# KiCad board reform2-motherboard.kicad_pcb (continued)
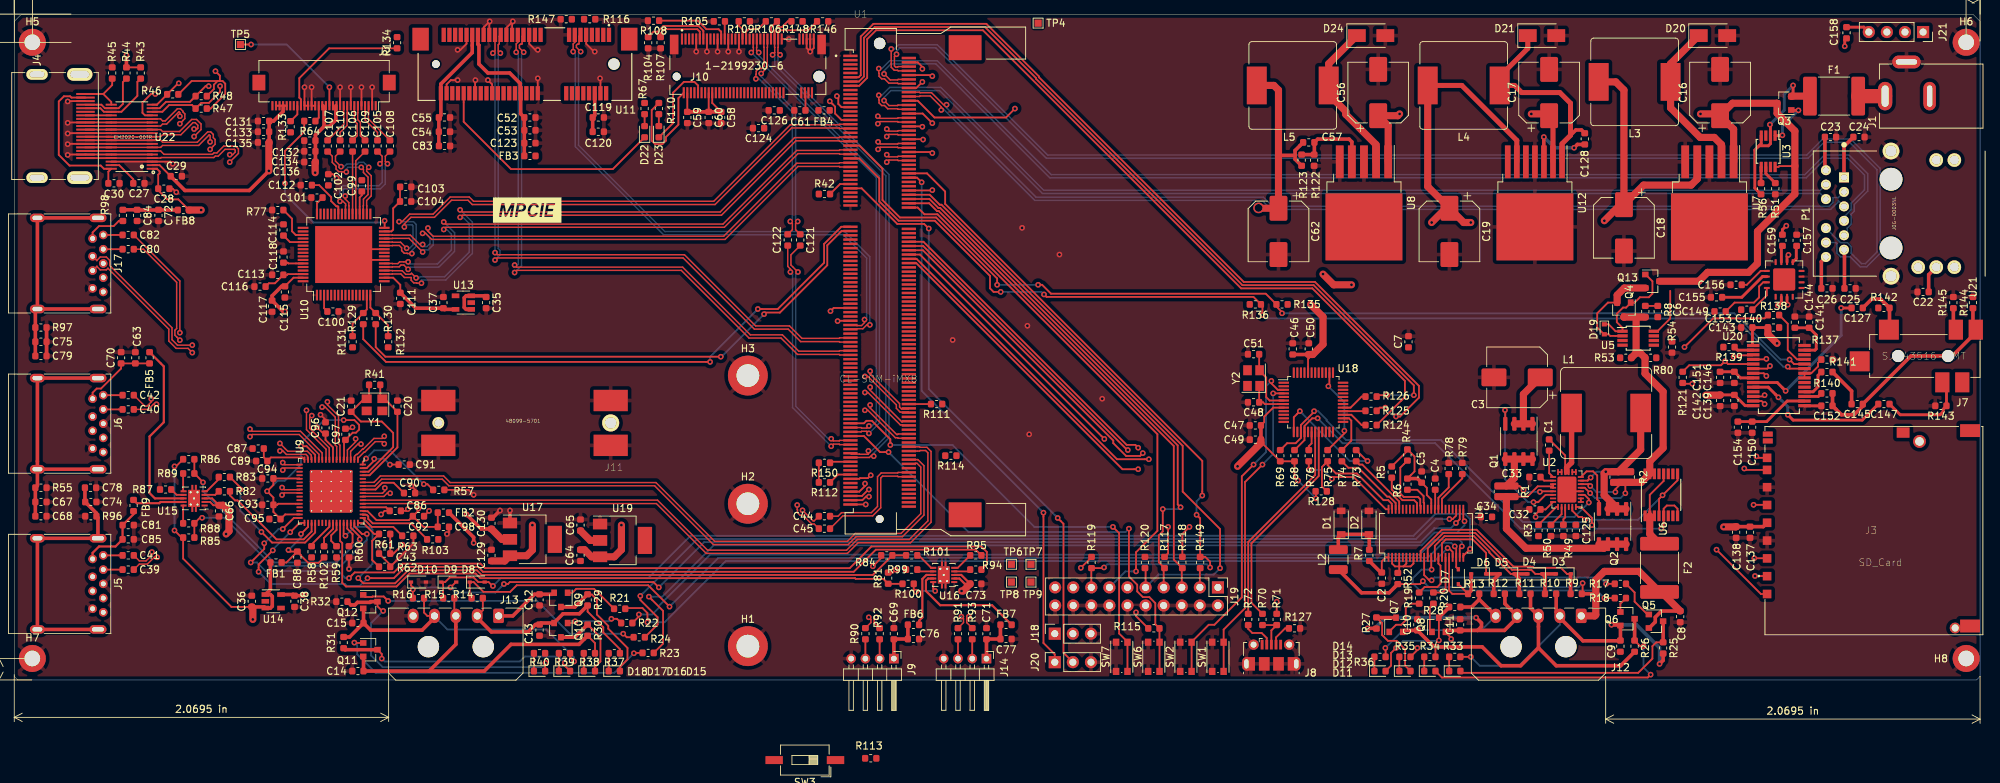
[diagram p0: board, top side]
## Nets (continued)
USB_PWR: C18.1 C28.2 C43.1 C66.1 C73.1 C155.1 C157.1 FB8.1 L3.2 R43.1 R44.1 R61.2 R111.1 R114.1 U7.4 U15.2 U15.3 U16.2 U16.3 U21.4 U21.9 U21.14 U22.1
USB_RESETn: R103.2
Net-(C1-Pad1): C1.1 U2.1
Net-(C1-Pad2): C1.2 L1.1 U2.25 U2.26
Net-(C2-Pad1): C2.1 R7.2 U4.1
Net-(C4-Pad1): C4.1 U4.31
Net-(C6-Pad1): C6.1 R8.2
Net-(C20-Pad1): C20.1 R41.1 U9.61 Y1.1
Net-(C21-Pad1): C21.1 R41.2 U9.62 Y1.2
Net-(C23-Pad1): C23.1 P1.7
Net-(C24-Pad1): C24.1 P1.1
Net-(C25-Pad1): C25.1 P1.6
Net-(C26-Pad1): C26.1 P1.12
Net-(C27-Pad2): C27.2 U22.37
Net-(C30-Pad1): C30.1 J4.18 U22.38
Net-(C32-Pad1): C32.1 U2.8 U2.17
Net-(C33-Pad1): C33.1 U2.2
Net-(C34-Pad1): C34.1 Q2.5 Q2.6 Q2.7 Q2.8 R1.2 U2.3 U2.4 U2.27 U2.28
Net-(C39-Pad2): C39.2 J5.8
Net-(C40-Pad2): C40.2 J6.8
Net-(C41-Pad2): C41.2 J5.9
Net-(C42-Pad2): C42.2 J6.9
Net-(C48-Pad1): C48.1 U18.7 Y2.1
Net-(C51-Pad1): C51.1 U18.6 Y2.2
Net-(C57-Pad2): C57.2 R122.1 R123.2 U8.4
Net-(C63-Pad1): C63.1 C70.1 FB5.2 J6.1
Net-(C67-Pad1): C67.1 C68.1 J6.10 R55.1
Net-(C69-Pad1): C69.1 C76.1 FB6.2 J9.1
Net-(C71-Pad1): C71.1 C77.1 FB7.2 J14.1
Net-(C72-Pad1): C72.1 C84.1 FB8.2 R98.1
Net-(C74-Pad1): C74.1 C78.1 J5.10 R96.1
Net-(C75-Pad1): C75.1 C79.1 J17.10 R97.1
Net-(C80-Pad2): C80.2 J17.8
Net-(C81-Pad1): C81.1 C85.1 FB9.2 J5.1
Net-(C82-Pad2): C82.2 J17.9
Net-(C86-Pad1): C86.1 C87.1 C88.1 C89.1 C91.1 FB1.2 R102.1 U9.16 U9.34 U9.52 U9.63
Net-(C90-Pad1): C90.1 C92.1 C93.1 C94.1 C95.1 C96.1 C97.1 C98.1 FB2.2 U9.5 U9.8 U9.13 U9.21 U9.28 U9.31 U9.51 U9.57
Net-(C123-Pad1): C52.1 C53.1 C54.1 C55.1 C83.1 C123.1 FB3.2 U11.2 U11.24 U11.39 U11.41 U11.52
Net-(C124-Pad1): C58.1 C59.1 C60.1 C61.1 C124.1 C126.1 FB4.2 J10.2 J10.4 J10.12 J10.14 J10.16 J10.18 J10.70 J10.72 J10.74 R110.1
Net-(C127-Pad1): C127.1 J7.2 R142.1
Net-(C127-Pad2): C127.2 U20.9
Net-(C128-Pad1): C128.1 D21.1 L4.1 U12.1
Net-(C128-Pad2): C128.2 U12.3
Net-(C141-Pad2): C141.2 C144.2 U20.27
Net-(C145-Pad1): C145.1 C152.1 J7.1 R140.2 R144.1
Net-(C145-Pad2): C145.2 R141.2
Net-(C147-Pad1): C147.1 J7.3 R143.1
Net-(C147-Pad2): C147.2 U20.10
Net-(C149-Pad1): C149.1 U21.15
Net-(C149-Pad2): C149.2 U20.13
Net-(C150-Pad1): C150.1 C154.1 U20.16
Net-(C153-Pad1): C153.1 U21.16
Net-(C153-Pad2): C153.2 U20.12
Net-(C156-Pad1): C156.1 U21.13
Net-(C158-Pad1): C158.1 J21.4
Net-(C158-Pad2): C158.2 U21.2
Net-(C159-Pad1): C159.1 J21.2
Net-(C159-Pad2): C159.2 U21.11
Net-(D1-Pad1): D1.1 D2.1 L2.2 R7.1
Net-(D3-Pad1): D3.1 R9.2 U4.10
Net-(D3-Pad2): D3.2 D4.1 R10.2 U4.12
Net-(D4-Pad2): D4.2 D5.1 R11.2 U4.14
Net-(D5-Pad2): D5.2 D6.1 R12.2 U4.16
Net-(D6-Pad2): D6.2 D7.1 R13.2 U4.18
Net-(D7-Pad2): D7.2 D8.1 R14.2 U4.20
Net-(D8-Pad2): D8.2 D9.1 R15.2 U4.22
Net-(D10-Pad1): D9.2 D10.1 R16.2 U4.24
Net-(D11-Pad1): D11.1 R33.2
Net-(D11-Pad2): D11.2 Q5.3 R25.2
Net-(D12-Pad1): D12.1 R34.2
Net-(D12-Pad2): D12.2 Q6.3 R26.2
Net-(D13-Pad1): D13.1 R35.2
Net-(D13-Pad2): D13.2 Q7.3 R27.2
Net-(D14-Pad1): D14.1 R36.2
Net-(D14-Pad2): D14.2 Q8.3 R28.2
Net-(D15-Pad1): D15.1 R37.2
Net-(D15-Pad2): D15.2 Q9.3 R29.2
Net-(D16-Pad1): D16.1 R38.2
Net-(D16-Pad2): D16.2 Q10.3 R30.2
Net-(D17-Pad1): D17.1 R39.2
Net-(D17-Pad2): D17.2 Q11.3 R31.2
Net-(D18-Pad1): D18.1 R40.2
Net-(D18-Pad2): D18.2 Q12.3 R32.2
Net-(D19-Pad1): D19.1 Q4.1 Q13.1 U5.1
Net-(D19-Pad2): D19.2 Q4.2 Q13.2 R53.1 U5.2
Net-(D20-Pad1): D20.1 L3.1 U7.2
Net-(D22-Pad1): D22.1 U11.44
Net-(D22-Pad2): D22.2 R67.2
Net-(D23-Pad1): D23.1 J10.10
Net-(D23-Pad2): D23.2 R110.2
Net-(D24-Pad1): D24.1 L5.1 U8.2
Net-(F2-Pad2): F2.2 U6.1 U6.2 U6.3 U6.12
Net-(J2-Pad1): J2.1
Net-(J2-Pad24): J2.24
Net-(J2-Pad25): J2.25
Net-(J2-Pad30): J2.30
Net-(J4-Pad13): J4.13 U22.23
Net-(J4-Pad14): J4.14
Net-(J4-Pad15): J4.15 R43.2 U22.22
Net-(J4-Pad16): J4.16 R44.2 U22.21
Net-(J4-Pad19): J4.19 R45.1 U22.20
Net-(J7-Pad4): J7.4 R145.1
Net-(J7-Pad5): J7.5
Net-(J7-Pad6): J7.6
Net-(J8-Pad1): J8.1
Net-(J8-Pad2): J8.2 R72.1
Net-(J8-Pad3): J8.3 R70.1 R71.2
Net-(J8-Pad4): J8.4 R127.2
Net-(J9-Pad2): J9.2 R92.2
Net-(J9-Pad3): J9.3 R90.2
Net-(J10-Pad5): J10.5
Net-(J10-Pad6): J10.6
Net-(J10-Pad7): J10.7
Net-(J10-Pad8): J10.8
Net-(J10-Pad11): J10.11 R107.1
Net-(J10-Pad13): J10.13 R104.1
Net-(J10-Pad17): J10.17
Net-(J10-Pad19): J10.19
Net-(J10-Pad20): J10.20
Net-(J10-Pad22): J10.22
Net-(J10-Pad23): J10.23 R108.1
Net-(J10-Pad24): J10.24
Net-(J10-Pad25): J10.25 R105.1
Net-(J10-Pad26): J10.26
Net-(J10-Pad28): J10.28
Net-(J10-Pad29): J10.29
Net-(J10-Pad30): J10.30
Net-(J10-Pad31): J10.31
Net-(J10-Pad32): J10.32
Net-(J10-Pad34): J10.34
Net-(J10-Pad35): J10.35 R109.1
Net-(J10-Pad36): J10.36
Net-(J10-Pad37): J10.37 R106.1
Net-(J10-Pad38): J10.38
Net-(J10-Pad46): J10.46
Net-(J10-Pad48): J10.48
Net-(J10-Pad54): J10.54
Net-(J10-Pad56): J10.56
Net-(J10-Pad58): J10.58
Net-(J10-Pad67): J10.67
Net-(J10-Pad68): J10.68
Net-(J10-Pad69): J10.69
Net-(J14-Pad2): J14.2 R93.2
Net-(J14-Pad3): J14.3 R91.2
Net-(J17-Pad1): J17.1 R98.2
Net-(J19-Pad3): J19.3 R149.1
Net-(J19-Pad11): J19.11
Net-(J19-Pad17): J19.17
Net-(J19-Pad19): J19.19
Net-(J21-Pad1): J21.1 U21.10
Net-(J21-Pad3): J21.3 U21.3
Net-(L1-Pad2): L1.2 Q2.1 Q2.2 Q2.3 R2.2 U2.21
Net-(Q1-Pad4): Q1.4 U2.6
Net-(Q1-Pad5): Q1.5 Q1.6 Q1.7 Q1.8 R1.1 U2.5
Net-(Q2-Pad4): Q2.4 U2.22
Net-(Q3-Pad1): Q3.1 U3.1
Net-(Q5-Pad1): Q5.1 R17.1
Net-(Q6-Pad1): Q6.1 R18.1
Net-(Q7-Pad1): Q7.1 R19.1
Net-(Q8-Pad1): Q8.1 R20.1
Net-(Q9-Pad1): Q9.1 R21.1
Net-(Q10-Pad1): Q10.1 R22.1
Net-(Q11-Pad1): Q11.1 R23.1
Net-(Q12-Pad1): Q12.1 R24.1
Net-(R3-Pad1): R3.1 R50.1 U2.10
Net-(R3-Pad2): R3.2 U2.9
Net-(R4-Pad2): R4.2 U4.35
Net-(R5-Pad2): R5.2 U4.36
Net-(R6-Pad2): R6.2 U4.34
Net-(R17-Pad2): R17.2 U4.11
Net-(R18-Pad2): R18.2 U4.13
Net-(R19-Pad2): R19.2 U4.15
Net-(R20-Pad2): R20.2 U4.17
Net-(R21-Pad2): R21.2 U4.19
Net-(R22-Pad2): R22.2 U4.21
Net-(R23-Pad2): R23.2 U4.23
Net-(R24-Pad2): R24.2 U4.25
Net-(R49-Pad1): R49.1 U2.11
Net-(R51-Pad2): R51.2 U3.6
Net-(R52-Pad1): R52.1 U4.2 U4.4 U4.6 U4.8
Net-(R54-Pad2): R54.2 U5.6
Net-(R56-Pad1): R56.1 U3.5
Net-(R57-Pad1): R57.1 U9.64
Net-(R58-Pad1): R58.1 U9.40
Net-(R59-Pad1): R59.1 U9.42
Net-(R60-Pad1): R60.1 U9.45
Net-(R61-Pad1): R61.1 R62.1 U9.48
Net-(R63-Pad1): R63.1 U9.49
Net-(R64-Pad2): R64.2 U10.32
Net-(R70-Pad2): R70.2 U18.20
Net-(R72-Pad2): R72.2 U18.19
Net-(R77-Pad2): R77.2 U10.51
Net-(R78-Pad1): R78.1 U4.30
Net-(R79-Pad1): R79.1 U4.29
Net-(R80-Pad1): R80.1 U5.5
Net-(R82-Pad1): R82.1 U15.4
Net-(R83-Pad2): R83.2 U15.5
Net-(R87-Pad1): R87.1 U15.7
Net-(R88-Pad1): R88.1 U15.10
Net-(R89-Pad1): R89.1 U15.6
Net-(R94-Pad1): R94.1 U16.4
Net-(R95-Pad2): R95.2 U16.5
Net-(R99-Pad1): R99.1 U16.7
Net-(R100-Pad1): R100.1 U16.10
Net-(R101-Pad1): R101.1 U16.6
Net-(R102-Pad2): R102.2 U9.41
Net-(R103-Pad1): R103.1 U9.50
Net-(R111-Pad2): R111.2 U1.156
Net-(R112-Pad1): R112.1 U1.189
Net-(R113-Pad1): R113.1 SW3.1
Net-(R114-Pad2): R114.2 U1.180
Net-(R129-Pad1): R129.1 R131.1 U10.15
Net-(R130-Pad1): R130.1 R132.1 U10.16
Net-(R137-Pad2): R137.2 U20.21 U20.22
Net-(R138-Pad1): R138.1 U20.25
Net-(R139-Pad1): R139.1 U20.2
Net-(R139-Pad2): R139.2
Net-(R140-Pad1): R140.1 U20.17
Net-(R141-Pad1): R141.1 U20.18
Net-(R150-Pad1): R150.1 U1.183
Net-(SW3-Pad2): SW3.2 U1.185
Net-(TP4-Pad1): TP4.1 U1.54
Net-(TP6-Pad1): TP6.1 U1.174
Net-(TP7-Pad1): TP7.1 U1.196
Net-(TP8-Pad1): TP8.1 U1.202
Net-(TP9-Pad1): TP9.1 U1.154
Net-(U1-Pad2): U1.2
Net-(U1-Pad7): U1.7
Net-(U1-Pad9): U1.9
Net-(U1-Pad17): U1.17
Net-(U1-Pad21): U1.21
Net-(U1-Pad23): U1.23
Net-(U1-Pad27): U1.27
Net-(U1-Pad29): U1.29
Net-(U1-Pad52): U1.52
Net-(U1-Pad60): U1.60
Net-(U1-Pad62): U1.62
Net-(U1-Pad65): U1.65
Net-(U1-Pad69): U1.69
Net-(U1-Pad74): U1.74
Net-(U1-Pad76): U1.76
Net-(U1-Pad77): U1.77
Net-(U1-Pad79): U1.79
Net-(U1-Pad81): U1.81
Net-(U1-Pad83): U1.83
Net-(U1-Pad85): U1.85
Net-(U1-Pad89): U1.89
Net-(U1-Pad91): U1.91
Net-(U1-Pad92): U1.92
Net-(U1-Pad93): U1.93
Net-(U1-Pad94): U1.94
Net-(U1-Pad95): U1.95
Net-(U1-Pad97): U1.97
Net-(U1-Pad98): U1.98
Net-(U1-Pad99): U1.99
Net-(U1-Pad100): U1.100
Net-(U1-Pad101): U1.101
Net-(U1-Pad102): U1.102
Net-(U1-Pad103): U1.103
Net-(U1-Pad104): U1.104
Net-(U1-Pad106): U1.106
Net-(U1-Pad107): U1.107
Net-(U1-Pad108): U1.108
Net-(U1-Pad109): U1.109
Net-(U1-Pad110): U1.110
Net-(U1-Pad112): U1.112
Net-(U1-Pad113): U1.113
Net-(U1-Pad115): U1.115
Net-(U1-Pad116): U1.116
Net-(U1-Pad118): U1.118
Net-(U1-Pad120): U1.120
Net-(U1-Pad122): U1.122
Net-(U1-Pad124): U1.124
Net-(U1-Pad126): U1.126
Net-(U1-Pad128): U1.128
Net-(U1-Pad129): U1.129
Net-(U1-Pad130): U1.130
Net-(U1-Pad134): U1.134
Net-(U1-Pad135): U1.135
Net-(U1-Pad136): U1.136
Net-(U1-Pad137): U1.137
Net-(U1-Pad138): U1.138
Net-(U1-Pad139): U1.139
Net-(U1-Pad140): U1.140
Net-(U1-Pad142): U1.142
Net-(U1-Pad143): U1.143
Net-(U1-Pad144): U1.144
Net-(U1-Pad145): U1.145
Net-(U1-Pad146): U1.146
Net-(U1-Pad147): U1.147
Net-(U1-Pad148): U1.148
Net-(U1-Pad149): U1.149
Net-(U1-Pad151): U1.151
Net-(U1-Pad152): U1.152
Net-(U1-Pad153): U1.153
Net-(U1-Pad155): U1.155
Net-(U1-Pad157): U1.157
Net-(U1-Pad161): U1.161
Net-(U1-Pad162): U1.162
Net-(U1-Pad163): U1.163
Net-(U1-Pad187): U1.187
Net-(U1-Pad192): U1.192
Net-(U1-Pad193): U1.193
Net-(U1-Pad194): U1.194
Net-(U1-Pad195): U1.195
Net-(U3-Pad3): U3.3
Net-(U3-Pad7): U3.7
Net-(U4-Pad3): U4.3
Net-(U4-Pad5): U4.5
Net-(U4-Pad7): U4.7
Net-(U4-Pad9): U4.9
Net-(U4-Pad28): U4.28
Net-(U5-Pad3): U5.3
Net-(U5-Pad7): U5.7
Net-(U6-Pad7): U6.7
Net-(U6-Pad13): U6.13
Net-(U9-Pad37): U9.37
Net-(U9-Pad38): U9.38
Net-(U9-Pad39): U9.39
Net-(U9-Pad60): U9.60
Net-(U10-Pad4): U10.4
Net-(U10-Pad5): U10.5
Net-(U10-Pad6): U10.6
Net-(U10-Pad7): U10.7
Net-(U10-Pad8): U10.8
Net-(U10-Pad9): U10.9
Net-(U10-Pad10): U10.10
Net-(U10-Pad11): U10.11
Net-(U10-Pad12): U10.12
Net-(U10-Pad13): U10.13
Net-(U10-Pad44): U10.44
Net-(U10-Pad45): U10.45
Net-(U10-Pad46): U10.46
Net-(U10-Pad47): U10.47
Net-(U10-Pad50): U10.50
Net-(U10-Pad54): U10.54
Net-(U10-Pad55): U10.55
Net-(U10-Pad56): U10.56
Net-(U10-Pad57): U10.57
Net-(U10-Pad58): U10.58
Net-(U10-Pad60): U10.60
Net-(U11-Pad1): U11.1
Net-(U11-Pad3): U11.3
Net-(U11-Pad5): U11.5
Net-(U11-Pad8): U11.8
Net-(U11-Pad10): U11.10
Net-(U11-Pad12): U11.12
Net-(U11-Pad14): U11.14
Net-(U11-Pad16): U11.16
Net-(U11-Pad17): U11.17
Net-(U11-Pad19): U11.19
Net-(U11-Pad30): U11.30
Net-(U11-Pad32): U11.32
Net-(U11-Pad36): U11.36
Net-(U11-Pad38): U11.38
Net-(U11-Pad42): U11.42
Net-(U11-Pad45): U11.45
Net-(U11-Pad46): U11.46
Net-(U11-Pad47): U11.47
Net-(U11-Pad49): U11.49
Net-(U11-Pad51): U11.51
Net-(U12-Pad5): U12.5
Net-(U12-Pad7): U12.7
Net-(U13-Pad4): U13.4
Net-(U14-Pad4): U14.4
Net-(U18-Pad1): U18.1
Net-(U18-Pad9): U18.9
Net-(U18-Pad25): U18.25
Net-(U18-Pad48): U18.48
Net-(U20-Pad19): U20.19
Net-(U20-Pad20): U20.20
Net-(U20-Pad26): U20.26
Net-(U21-Pad5): U21.5
Net-(U21-Pad6): U21.6
Net-(U21-Pad8): U21.8

Pads without a net: J1 3; J2 MP; J3 D_SW P1 P2 P_SW PEG1 PEG2 SW; J4 SHEL; J11 5 6; U1 SH1 SH2; U7 6; U8 6; U10 14; U11 53 54; U17 4; U19 4; Y1 3 4; Y2 3 4

## Via types
v1: diameter 0.8, hole 0.4, Top to Bottom, 398 vias
v2: diameter 1.5, hole 1.1, Top to Bottom, 1 via

## Routing (per net, layer and track width the routed paths; a pad name or vN(x,y) marks a point on that pad's centre or on a via; arc(x,y) is an arc through that point)
+1V1: length 35.9
  Top w0.5: v1(40.75,12) 40.59,11.84 C38.1 39.19,12 U14.5 ; v1(64.5,19.25) 64.5,20.04 FB2.1
  Power.Cu w0.5: v1(64.5,19.25) 62.75,17.5 54.25,17.5 48.75,12 v1(40.75,12)
+1V2: length 37.4
  Top w0.25: U10.48 42.5,66.96 C101.1 ; C118.1 38.38,58.61 38.49,58.5 U10.59 ; C116.1 35.75,55.71 36.6,55.71 C113.1 38.33,56.9 38.42,57 U10.62 ; C100.1 43.5,52.21 U10.3 ; U10.18 53.2,56.5 54.2,55.5 C111.1 ; C99.1 48.8,68.08 48.5,67.78 U10.36 ; 54.16,69.2 C104.1 53.2,66.24 53.2,63.25 52.95,63 U10.31
  Top w0.5: U13.5 60.41,52.05 C37.1 56.38,52.21 C111.1
+1V5: length 8.8
  Top w0.5: U11.6 81.5,79.29 C119.1 C120.1
  Top w1: C65.1 80.86,19.6 U19.2
+1V8: length 73.5
  Top w0.25: C112.1 42.82,69.5 44.5,67.82 44.5,67.25 45.22,66.53 45.42,66.53 45.5,66.45 U10.42 ; C114.1 38.71,61.5 U10.53 ; U10.63 39.21,56.5 C115.1
  Top w0.5: v1(38,51.75) 37.74,51.75 C117.1 36.2,53.95 37.54,55.29 C115.1 ; v1(63.5,23.25) 65.54,21.21 C130.1
  Top w1: U17.2 68.46,19.75 C130.1
  Power.Cu w0.5: v1(38,51.75) 53.25,51.75 63.5,41.5 v1(63.5,23.25)
+3V3: length 824.8
  Top w0.25: v1(22.5,21) 23.5,20 R85.2 23.71,17.04 30.49,10.26 C36.1 ; v1(123.75,15.5) 123.34,15.09 R81.2 ; C29.1 20.41,72.3 U22.2 ; v1(182.75,25.5) 182.75,26.46 R128.2 ; R86.2 22.71,30 v1(22.5,30) ; 28.88,84.13 28.88,84.87 v1(28.25,85.5) ; 28.88,84.13 28.55,84.13 ; 28.88,84.13 29.25,84.13 29.63,83.75 29.63,82.3 27.58,80.25 R47.2 ; v1(149.75,15.75) 151.25,17.25 R119.1 ; v1(180.25,28) 179.75,28.5 R68.1 R69.1 175.04,33.42 C49.1 ; v1(157.5,9.5) 157.5,8.96 R115.1 ; R118.1 164,20.5 v1(165,21.5) ; U18.8 176.75,38.25 175.5,37 175.5,36.21 C47.1 ; 28.55,84.13 24.91,84.13 R46.2 ; 28.55,84.13 28.03,83.6 28.03,82.99 R48.2 ; R117.1 162,17.79 v1(162,21.5) ; v1(120.55,15.97) 121.71,17.13 R84.2 ; R112.2 R150.2 ; C50.1 181.75,45.17 181.65,45.08 U18.44 ; v1(177.25,11) R71.1
  Top w0.3: J2.29 J2.26
  Top w0.4: U20.14 243.01,38.53 C139.1 C142.1 ; C146.1 241.61,43.17 ; C146.1 C151.1 ; C146.1 242.36,42.42 U20.8 ; U20.1 244.04,47.09 C143.1 C140.1
  Top w0.5: C35.1 66.09,53.95 U13.3 63.44,53.95 63.18,53.69 63.18,52.31 63.44,52.05 U13.1 ; C138.1 C137.1 245.56,21.54 J3.4 ; v1(35.75,71.5) 33,68.75 23.96,68.75 C29.1 ; C22.1 268.79,56.92 P1.16 ; C49.1 C47.1 ; C135.1 C133.1 C131.1 36.4,78.5 37.75,79.85 J2.27 ; 43.5,77.75 43.5,80.4 43.35,80.55 43.35,80.65 ; 43.5,77.75 42.29,76.54 C132.1 C134.1 C136.1 ; 43.5,77.75 44.25,77.75 45.15,78.65 45.15,80.65 ; FB1.1 35.96,12.71 U14.1 35.97,12 36.23,11.74 36.23,10.36 35.97,10.1 U14.3 35.09,10.26 C36.1 ; C50.1 C46.1
  Top w0.7: U12.6 210.96,75.78 203.24,83.5 L4.2
  Top w1: C140.1 246.21,48.56 v1(247.5,47.28) ; C138.1 241.71,21.5 v1(240,21.5) ; C142.1 239.46,40 v1(237.5,40) ; C19.1 201,66.25 v1(199,64.25) ; C19.1 198.45,69.3 L4.2 ; C19.1 203.5,64.25 v1(204.5,64.25) ; v1(85.25,21.75) 85.25,18.3 84.25,17.3 U19.3 81.06,17.3 80.08,18.29 C64.1 ; C129.1 68.86,16.71 U17.3 71.95,17.45 72.75,18.25 v1(72.75,21.75) ; C49.1 175.04,33.29 v1(171.75,30) ; C36.1 33.5,10.11 v1(33.5,8.5) ; v1(42.25,71.25) 42.25,72.71 C136.1 ; C135.1 35.75,75.46 v1(35.75,71.5) ; C50.1 182.32,45.71 183.75,47.14 183.75,51 v1(182,52.75)
  Power.Cu w0.25: v1(177.25,11) 174.35,13.9 171.75,13.9 ; v1(120.55,15.97) 123.28,15.97 v1(123.75,15.5) ; v1(157.5,9.5) 157.9,9.1 167.35,9.1 167.75,9.5 167.75,12.85 167.9,13 J19.1 ; 171.75,21.5 v1(165,21.5) v1(162,21.5) 159.75,19.25 151.5,19.25 149.75,17.5 v1(149.75,15.75)
  Power.Cu w1: v1(171.75,30) 171.75,13.9 170.85,13 J19.1 ; v1(171.75,30) 170.25,28.5 155.75,28.5 138.55,11.3 135.8,11.3 135.25,10.75 96.25,10.75 v1(85.25,21.75) v1(72.75,21.75) 67,16 54.5,16 47,8.5 v1(33.5,8.5) 28,14 28,61 25.5,63.5 17,63.5 12.25,68.25 12.25,87.5 14.5,89.75 24,89.75 v1(28.25,85.5) 29.75,85.5 32,83.25 32,74 34.5,71.5 v1(35.75,71.5) 36,71.25 v1(42.25,71.25) ; v1(171.75,30) 172.5,30.75 172.5,43.25 v1(182,52.75) 193.5,64.25 v1(199,64.25) ; v1(204.5,64.25) 206.25,64.25 214.99,72.99 248.49,72.99 250.25,74.75 258,74.75 262.75,70 268.75,70 ; 268.75,70 269.75,69 269.75,58.08 P1.16 259.14,47.28 v1(247.5,47.28) 239.52,47.28 237.5,45.25 v1(237.5,40) 237.5,24 v1(240,21.5) ; 268.75,70 269.37,70 P1.14
  Bottom w0.25: v1(22.5,21) v1(22.5,30) ; v1(180.25,28) v1(182.75,25.5)
+4V: length 106.5
  Top w0.25: v1(128.9,68.8) 128.85,68.75 U1.64 ; v1(128.9,84.8) 128.75,84.95 U1.10 ; v1(128.9,78.2) 127.55,79.55 U1.28 ; U1.46 128.75,74.15 v1(128.9,74)
  Top w0.5: 179.82,73.68 179.82,73.14 R123.1 ; 179.82,73.68 177.68,73.68 177.5,73.5 ; 179.82,73.68 179.82,74.36 C57.1
  Top w1: v2(174.7,66.3) 174.75,66.25 C62.1 177.5,82.85 176.85,83.5 L5.2
  Power.Cu w1: v2(174.7,66.3) 130.5,66.3 128.9,67.9 v1(128.9,68.8) v1(128.9,74) v1(128.9,78.2) v1(128.9,84.8)
+36V: length 3.8
  Top w2: J1.1 F1.2
/Reform 2 Power/28V_GATE2: length 130.8
  Top w0.25: U5.8 230.7,48.97 232.5,50.78 232.5,54.65 ; 250,72.17 247.82,72.17 247.7,72.05 U3.8
  Top w0.7: U12.2 216.04,78.71 C17.1
  Top w1: C16.1 241.4,77.35 U7.1 ; C16.1 241.25,81 Q3.3 247.5,79.6 250,77.1 250,68.25 244.75,63 244.75,58.5 243.5,57.25 237.75,57.25 236.5,56 Q13.3 ; C16.1 239.25,79.5 v1(236.75,79.5) ; C17.1 215.25,79.5 v1(213,79.5) ; v1(194.5,79.5) 194.25,79.25 C56.1 192.9,77.85 U8.1
  Power.Cu w1: v1(194.5,79.5) v1(213,79.5) v1(236.75,79.5)
/Reform 2 Power/36V_IN: length 34.6
  Top w0.4: U3.4 245.27,75.33 244.98,75.03 ; Q3.2 249.75,82.2 v1(249.75,83.5) ; 244.98,75.03 246.27,75.03 246.57,75.33 U3.2 246.57,77.92 v1(246.5,78) ; 244.98,75.03 244.37,74.42 244.37,69.09 R56.2
  Top w1: F1.1 249.55,82 Q3.2 ; Q1.1 Q1.3 ; Q1.2 211.88,40.14 C3.1
  Bottom w0.4: v1(249.75,83.5) 248.5,82.25 248.5,80 v1(246.5,78)
GND: length 170.6
  Top w0.25: v1(108.75,90) 108.72,90.03 J10.57 ; U11.40 64.7,84.2 v1(64.75,84.25) ; v1(55.25,24) 55,23.75 C86.2 ; U10.23 47,59 U10.65 47,60.5 U10.26 ; v1(7.5,78.25) 7.55,78.3 J4.11 U22.25 U22.14 ; J2.18 J2.19 v1(41.75,83.25) ; J10.75 112.25,88.75 v1(111.75,88.25) ; J10.15 v1(97.25,88.25) ; R63.2 56.04,19.15 R62.2 52.79,16.17 C43.2 ; C96.2 43.7,36.55 v1(43,37.25) ; J2.8 v1(47.25,83.25) ; U22.5 U22.34 J4.2 7.55,73.8 v1(7.5,73.75) ; J10.71 111.25,88.75 v1(111.75,88.25) ; R57.2 63.8,26.7 v1(64.5,26) ; U22.36 U22.3 21.95,72.8 v1(22.25,72.5) ; J2.11 v1(45.75,83.25) ; U11.18 v1(73.5,84.5) ; C28.1 22.25,69 v1(22.75,68.5) ; v1(62.25,88.5) 62.65,88.5 63.5,89.35 U11.43 ; v1(111.75,88.25) J10.73 ; J10.21 v1(98.75,88.25) ; J2.5 v1(48.75,83.25) ; U11.29 69.1,91.6 v1(70,92.5) 69.9,92.4 U11.27 ; J10.33 v1(101.75,88.25) ; U11.37 65.9,91.65 v1(66.75,92.5) 66.7,92.45 U11.35 ; v1(81.5,88.25) 81.4,88.25 80.3,89.35 U11.9 ; v1(62.25,84.25) 61.3,84.25 60.7,83.65 U11.50 ; J2.2 v1(50.25,83.25) ; J10.27 v1(100.25,88.25) ; v1(60.75,20.5) 61.04,20.79 C98.2 ; R106.2 106.25,91.66 J10.51 ; U2.29 218.25,26.5 U2.18 ; v1(82.25,84.5) 82.3,84.45 U11.4 ; v1(7.5,81.25) 7.55,81.3 J4.17 ; v1(55.75,27.25) 56.29,26.71 C90.2 ; v1(73.5,88.5) 73.15,88.5 72.3,89.35 U11.21 ; v1(66.5,84.25) 67.1,83.65 U11.34 ; v1(40.75,83.25) J2.21 J2.20 ; R60.2 v1(47,15.6) ; v1(45.25,70.5) 44.71,71.04 C102.2 ; U22.11 U22.28 13.62,76.78 13.6,76.8 J4.8 7.55,76.8 v1(7.5,76.75) ; v1(7.5,75.25) 7.55,75.3 J4.5 U22.31 U22.8 ; U2.23 U2.24 ; C92.2 57.54,23.04 v1(58.25,23.75) ; J10.9 v1(95.75,88.25) ; U2.15 U2.16 ; v1(47.49,35.49) 47.29,35.29 C97.2
  Top w0.4: C152.2 251.38,38.5 U20.15
  Top w0.5: C130.2 67.19,22.79 v1(68.2,23.8) ; C79.2 C75.2 R97.2 ; U17.1 v1(69.6,23.8)
  vias: v1(131.75,47.75) v1(141.5,63.5) v1(142.25,49.75) v1(142.5,34.5) v1(146.75,59.75) v1(152.75,39.5)
/Reform 2 Display/EDAUXN: length 14.4
  Top w0.2: v1(48.72,72) 49.03,71.7 49.03,71.27 49.68,70.62 49.68,68.18 49.03,67.53 49.03,66.6 49,66.58 U10.35 ; v1(46.63,71.35) 45.99,71.35 45.95,71.39 45.55,71.39 45.18,71.76 45.18,72.16 44.65,72.69 44.65,73.56 C107.2
  Bottom w0.2: v1(46.63,71.35) 46.63,71.73 46.63,71.73 46.63,71.78 46.85,72 v1(48.72,72)
/Reform 2 Display/EDAUXP: length 14.4
  Top w0.2: v1(45.88,72.09) 45.1,72.88 45.1,73.56 C110.2 ; U10.34 49.5,66.58 49.47,66.6 49.47,67.34 50.13,67.99 50.13,70.81 49.47,71.46 49.47,71.7 v1(49.78,72)
  Bottom w0.2: v1(45.88,72.09) 46.31,72.09 46.66,72.45 48.14,72.45 48.39,72.7 49.06,72.7 49.31,72.45 49.33,72.45 v1(49.78,72)
/Reform 2 Display/EDP_BL_ENABLE: length 19.4
  Top w0.25: R134.1 44.21,88.71 40.02,84.52 40.02,81.78 40.25,81.55 J2.22
/Reform 2 Display/EDP_BL_PWM: length 2.6
  Top w0.25: R133.1 39.75,79.44 J2.23
/Reform 2 Display/EDP_HPD: length 2.3
  Top w0.25: J2.17 42.75,78.96 R64.1
/Reform 2 Display/EDP_LCD_TEST: length 17.6
  Top w0.25: J2.14 v1(44.25,83.25) ; TP5.1 v1(33.25,89.25)
  Bottom w0.25: v1(44.25,83.25) 38.25,89.25 v1(33.25,89.25)
/Reform 2 Display/ML0N: length 8.8
  Top w0.2: U10.38 C106.2
/Reform 2 Display/ML0P: length 9.3
  Top w0.2: U10.37 47.95,65.5 47.95,72.91 C109.2
/Reform 2 Display/ML1N: length 15.3
  Top w0.2: v1(51.35,72.5) 51.65,72.8 51.65,73.56 C105.2 ; v1(45.73,67.23) 46.15,67.23 46.53,66.86 46.53,66.6 46.5,66.58 U10.40
  Bottom w0.2: v1(45.73,67.23) 45.73,69.05 46.11,69.42 51.21,69.42 51.65,69.87 51.65,72.2 v1(51.35,72.5)
/Reform 2 Display/ML1P: length 15.1
  Top w0.2: v1(46.47,67.97) 46.47,67.55 46.97,67.04 46.97,66.6 47,66.58 U10.39 ; C108.2 52.1,73.56 52.1,72.8 v1(52.4,72.5)
  Bottom w0.2: v1(46.47,67.97) 46.18,68.26 46.18,68.86 46.29,68.97 51.39,68.97 52.1,69.68 52.1,72.2 v1(52.4,72.5)
/Reform 2 PCIe/PCIE2_TXC_N: length 31
  Top w0.2: J10.47 105.25,88.86 105.28,88.84 105.28,86.21 104.93,85.87 104.54,85.87 104.17,85.51 104.17,85.11 104.13,85.07 v1(104.13,84.43) ; v1(108.95,64.4) 109.25,64.1 109.25,63.24 C122.1
  Bottom w0.2: v1(104.13,84.43) 104.55,84.43 109.25,79.73 109.25,64.7 v1(108.95,64.4)
/Reform 2 PCIe/PCIE2_TXC_P: length 30.3
  Top w0.2: v1(110,64.4) 109.7,64.1 109.7,63.24 C121.1 ; v1(104.87,85.17) 105.72,86.03 105.72,88.84 105.75,88.86 J10.49
  Bottom w0.2: v1(110,64.4) 109.7,64.7 109.7,79.92 104.87,84.75 v1(104.87,85.17)
/Reform 2 Power/LPC_MISO0: length 3.8
  Top w0.25: U18.27 187.72,37.25 189.18,35.8 R124.1
/Reform 2 Power/LPC_MISO1b: length 6
  Top w0.25: U18.26 187.4,36.75 187.73,36.42 187.73,33.61 R74.2
/Reform 2 Power/LPC_MOSI0: length 3.2
  Top w0.25: U18.28 189.66,37.75 R125.1
/Reform 2 Power/LPC_MOSI1b: length 12.8
  Top w0.25: R75.2 186.75,34.64 v1(186.75,35) ; v1(184.5,41.25) 184.65,41.4 U18.38
  Bottom w0.25: v1(186.75,35) 186.75,39 v1(184.5,41.25)
/Reform 2 Power/LPC_NRESET: length 48.4
  Top w0.25: SW2.2 SW2.2 165.3,5.35 167.7,7.75 168.5,7.75 172.35,11.6 172.35,28.6 v1(174,30.25) ; v1(176.5,42) 176.5,41.65 177.4,40.75 U18.3
  Bottom w0.25: v1(176.5,42) 175.75,41.25 175.75,32 v1(174,30.25)
/Reform 2 Power/LPC_SCK0a: length 3.8
  Top w0.25: R126.1 189.18,39.8 187.62,38.25 U18.29
/Reform 2 Power/LPC_SCK1b: length 17.9
  Top w0.25: v1(180.5,37.75) 179.65,36.9 U18.13 ; R73.2 189.94,30.75 v1(190,30.75)
  Bottom w0.25: v1(180.5,37.75) 187.5,30.75 v1(190,30.75)
/Reform 2 Power/LPC_SSEL1: length 2.7
  Top w0.25: U18.18 182.15,33.22 181.75,32.83 R76.2
/Reform 2 Power/LPC_UFTOGG: length 43.4
  Top w0.25: v1(175.25,30.25) 172.8,27.8 172.8,10.08 169.8,7.08 SW1.2 SW1.2 ; U18.4 v1(176.75,40.25)
  Bottom w0.25: v1(175.25,30.25) 176.75,31.75 v1(176.75,40.25)
/Reform 2 Power/VREG: length 14.8
  Top w0.25: R6.1 196.6,29.29 196.6,31.39 R4.1 195.6,32.19 R5.1 ; U4.32 198.95,25.35 198.33,25.97 198.33,26.99 C5.1
  Top w0.5: C5.1 197.03,28.29 R6.1
/Reform 2 USB/USB_SSTXN: length 71.5
  Top w0.2: U9.56 48.96,26.22 51.71,26.22 52.03,26.55 v1(52.03,26.97) ; C45.1 112.31,21.9 111.96,21.9 110.73,23.13 110.34,23.13 109.97,23.49 109.97,23.89 109.93,23.93 v1(109.93,24.57)
  Signal.Cu w0.2: v1(52.03,26.97) 54.45,26.97 55.39,26.03 62.69,26.03 68.59,20.12 105.91,20.12 109.93,24.15 v1(109.93,24.57)
/Reform 2 USB/USB_SSTXP: length 69.8
  Top w0.2: C44.1 112.31,22.35 112.15,22.35 v1(110.67,23.83) ; U9.55 48.96,25.78 51.89,25.78 52.35,26.23 v1(52.77,26.23)
  Signal.Cu w0.2: v1(52.77,26.23) 53.06,26.52 54.26,26.52 55.21,25.58 62.51,25.58 68.41,19.67 106.09,19.67 110.25,23.83 v1(110.67,23.83)
BAT1+: length 67.9
  Top w0.25: R9.1 220.2,12.21 v1(220.2,13.6) ; R52.2 197.36,13.46 v1(197.78,13.87)
  Top w0.5: 222.05,12.05 222,12.1 R9.1 ; Q5.2 229.55,7.3 230.4,8.15 230.4,8.81 231.28,9.69 C8.1 ; L2.1 189.15,12.25 193.04,12.25 R52.2
  Top w1: C8.1 231.23,12.36 F2.1 228.11,15.25 223.25,15.25 222.05,14.05 222.05,9.15 221.9,9 J12.1
  Bottom w0.25: v1(197.78,13.87) 198.63,13.02 219.62,13.02 v1(220.2,13.6)
BAT2+: length 47.1
  Top w0.25: R33.1 v1(204.5,3.25)
  Top w0.5: R10.1 216.49,9.51 J12.2 217,8.74 220.24,5.5 225.51,5.5 225.51,7.64 Q6.2 ; v1(231,2.25) 231.5,2.75 R25.1 ; Q6.2 225.4,7.75 v1(224.25,7.75) ; Q6.2 225.45,7.7
  Bottom w0.25: v1(204.5,3.25) 205.75,2 211.25,2 217,7.75 J12.2
  Bottom w0.5: v1(224.25,7.75) 227.76,7.75 231,4.51 v1(231,2.25)
BAT3+: length 47.2
  Top w0.25: 199.75,4.75 199.54,4.54 R34.1
  Top w0.5: Q7.2 195.16,6.96 C10.1 199.21,4.75 199.75,4.75 199.85,4.65 206.1,4.65 208.75,2 211.5,2 214,4.5 ; R26.1 225.54,2 216.5,2 214,4.5 ; 214,4.5 J12.3 212.89,10.11 R11.1
BAT4+: length 43.4
  Top w0.25: R35.1 197,4.21 v1(197,4.5) ; v1(201.75,5.75) 201.75,5.9 200.95,6.7 Q8.2
  Top w0.5: J12.4 209.29,10.71 R12.1 ; J12.4 210.75,9 ; J12.4 211,8.74 209.22,6.96 205.46,6.96 ; 205.46,6.96 206,7.5 206,8 v1(205.25,8.75) ; 205.46,6.96 C11.1 201.16,6.96 Q8.2 ; v1(190,7.25) 191.21,7.25 R27.1
  Bottom w0.25: v1(197,4.5) 200.5,4.5 v1(201.75,5.75) ; 210.5,9 J12.4
  Bottom w0.5: v1(205.25,8.75) 192.5,8.75 191,7.25 v1(190,7.25)
BAT5+: length 163.4
  Top w0.25: R36.1 192.54,4.46 v1(192.5,4.5)
  Top w0.5: 205.69,11.31 J12.5 ; 205.69,11.31 204.62,10.25 R28.1 ; 205.69,11.31 R13.1 ; J13.1 70,9 73.04,12.04 C12.1 75.59,12.04 Q9.2
  Power.Cu w0.5: v1(192.5,4.5) 185.5,4.5 181.75,8.25 143,8.25 141.5,6.75 112.65,6.75 110.4,9 90.5,9 89.45,10.05 69.05,10.05 J13.1
  Bottom w0.25: J12.5 206,7 195,7 v1(192.5,4.5)
BAT6+: length 29.6
  Top w0.25: J13.2 65.79,9.79 R14.1 ; R37.1 85.04,4.32 82.7,6.66 82.7,7.4 80.5,9.6 R29.1
  Top w0.5: R29.1 79.34,9.3 77.05,9.3 75.8,8.05 Q10.2 73.96,8 C13.1 73.17,7.79 72.14,6.75 66.99,6.75 65,8.74 J13.2
BAT7+: length 50.4
  Top w0.25: R38.1 81.54,5.18 R30.1 ; R15.1 61.79,9.21 J13.3